# Altium PCB BUCK-BOOST_PWM_Controller.PcbDoc (part 1 of 2)
Units mm, origin at the board's own origin, x right, y up, seen from the top; angles counter-clockwise.
Board outline 90.1 x 70.25 mm, 2 copper layers (Top Layer, Bottom Layer); 191 components, 99 nets, 467 pads, 92 vias.
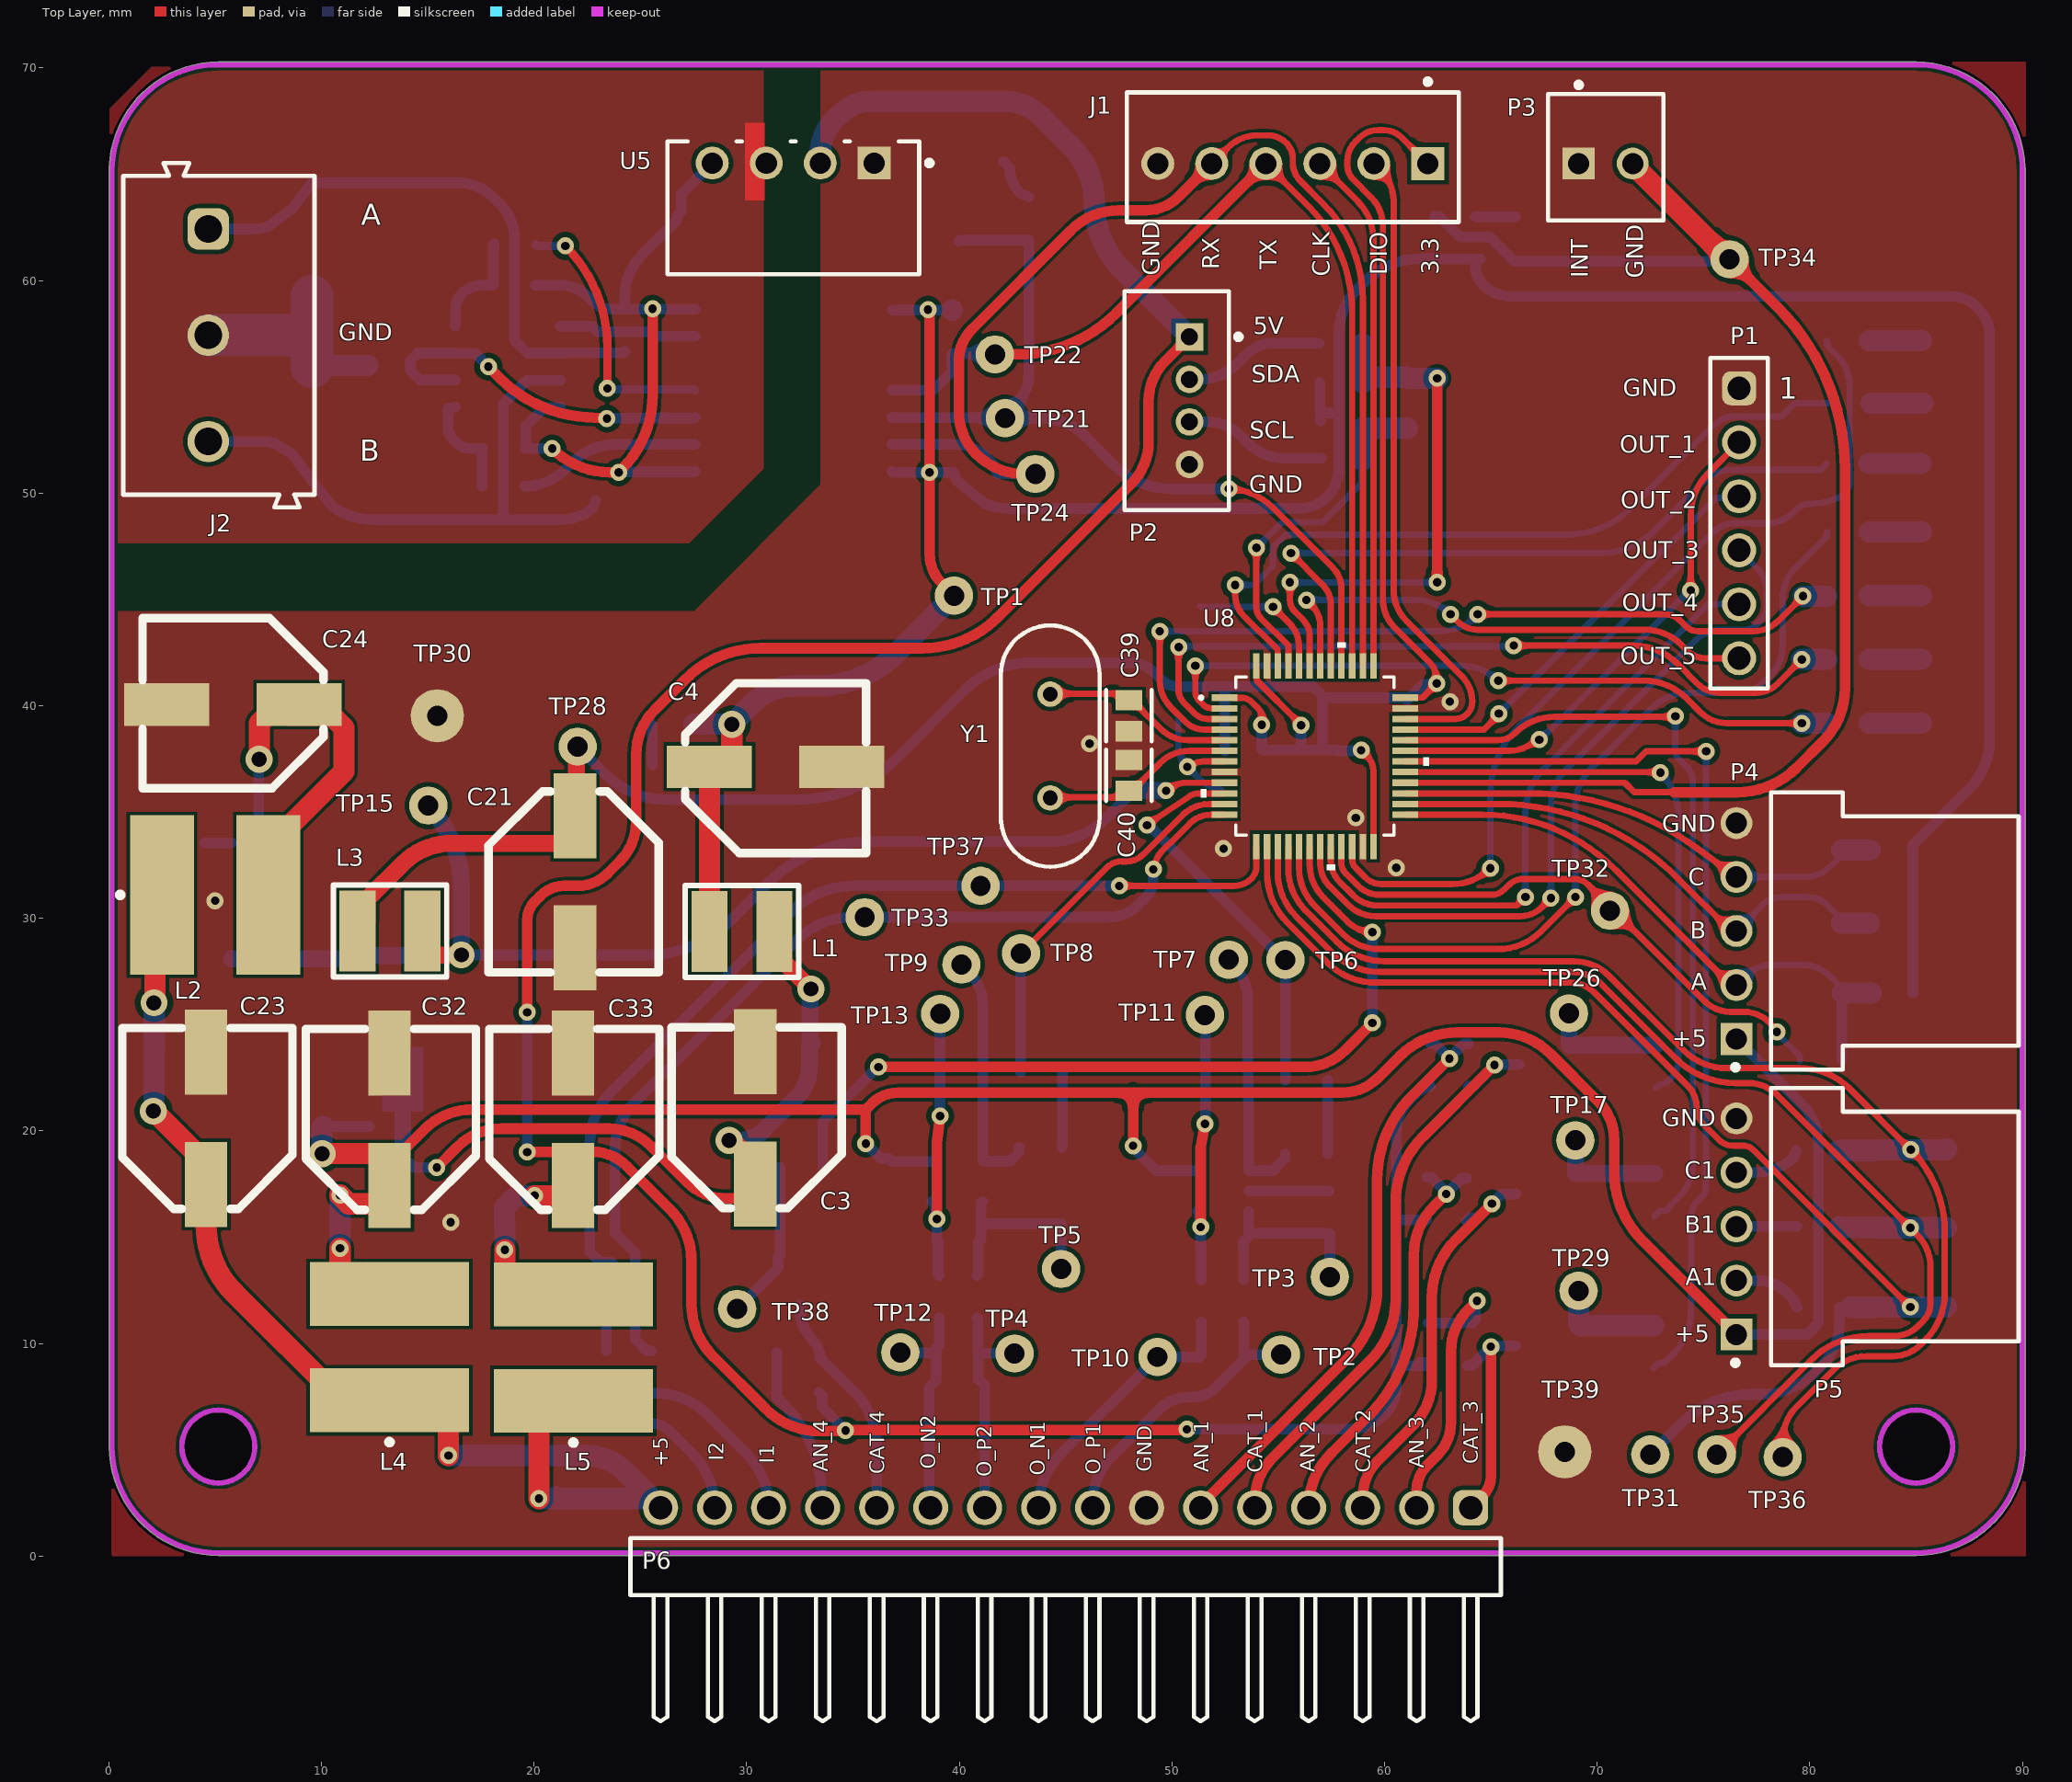
[diagram p0: Top Layer view]
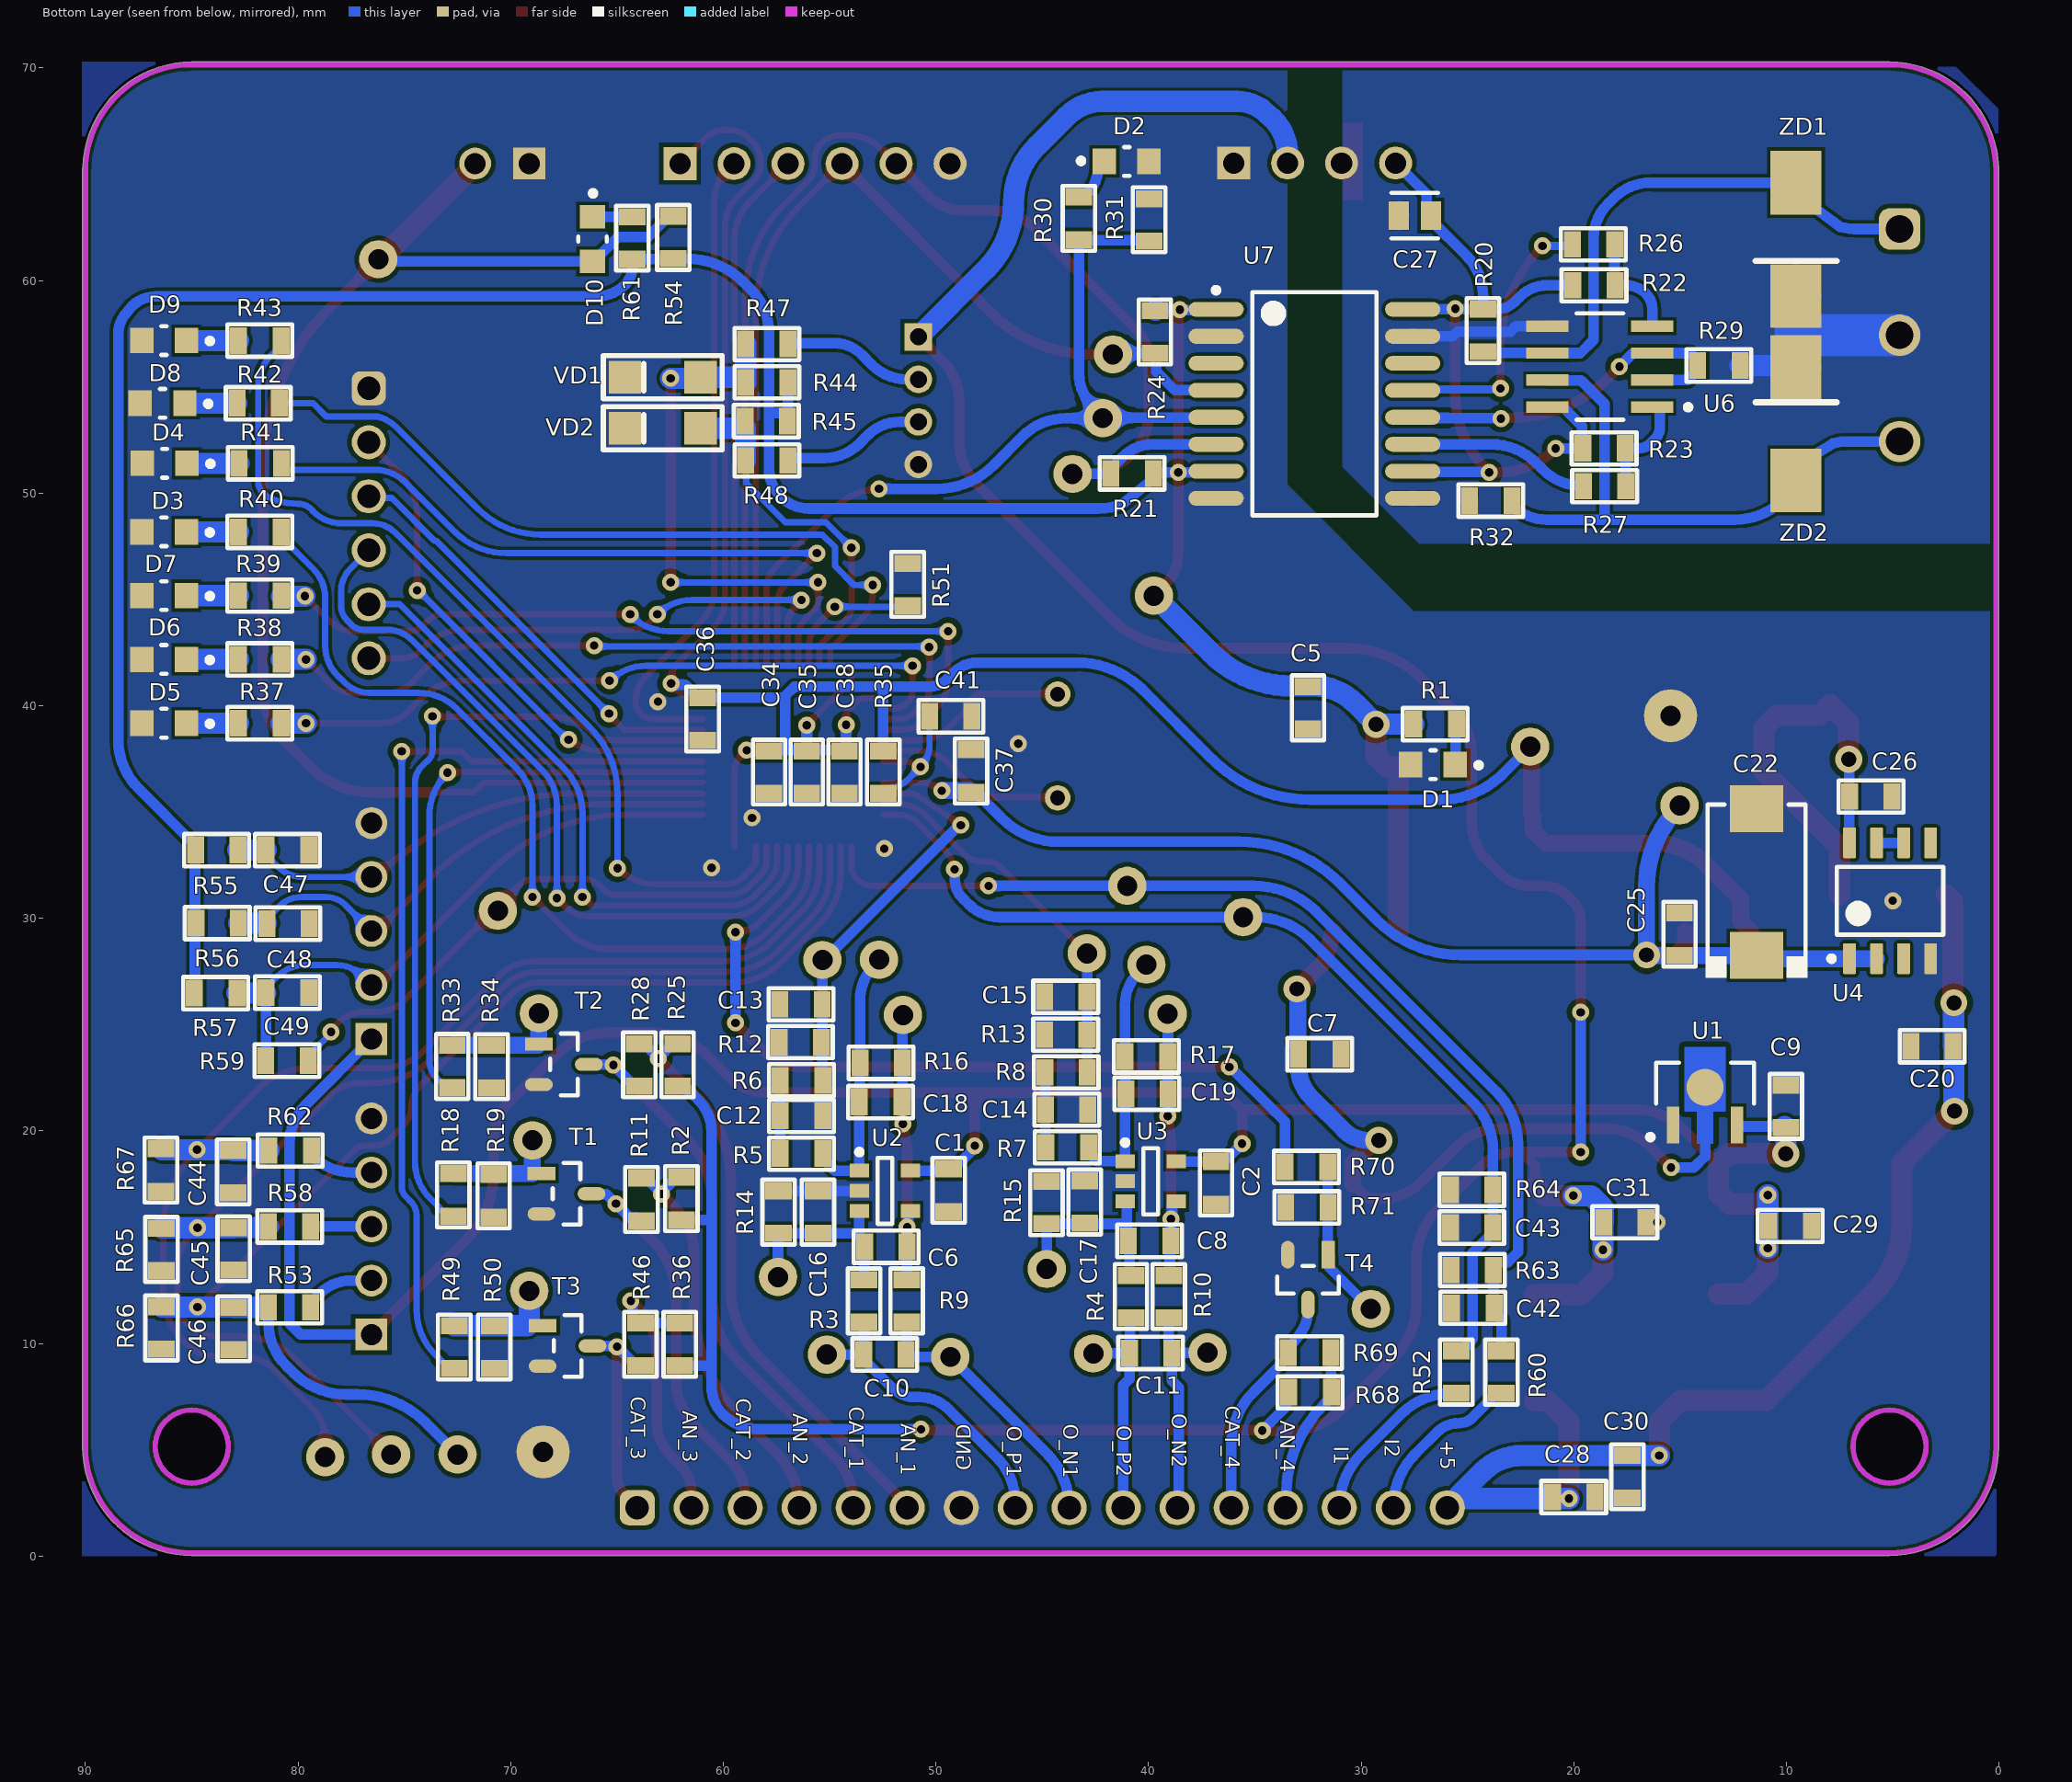
[diagram p1: Bottom Layer view, seen from below]
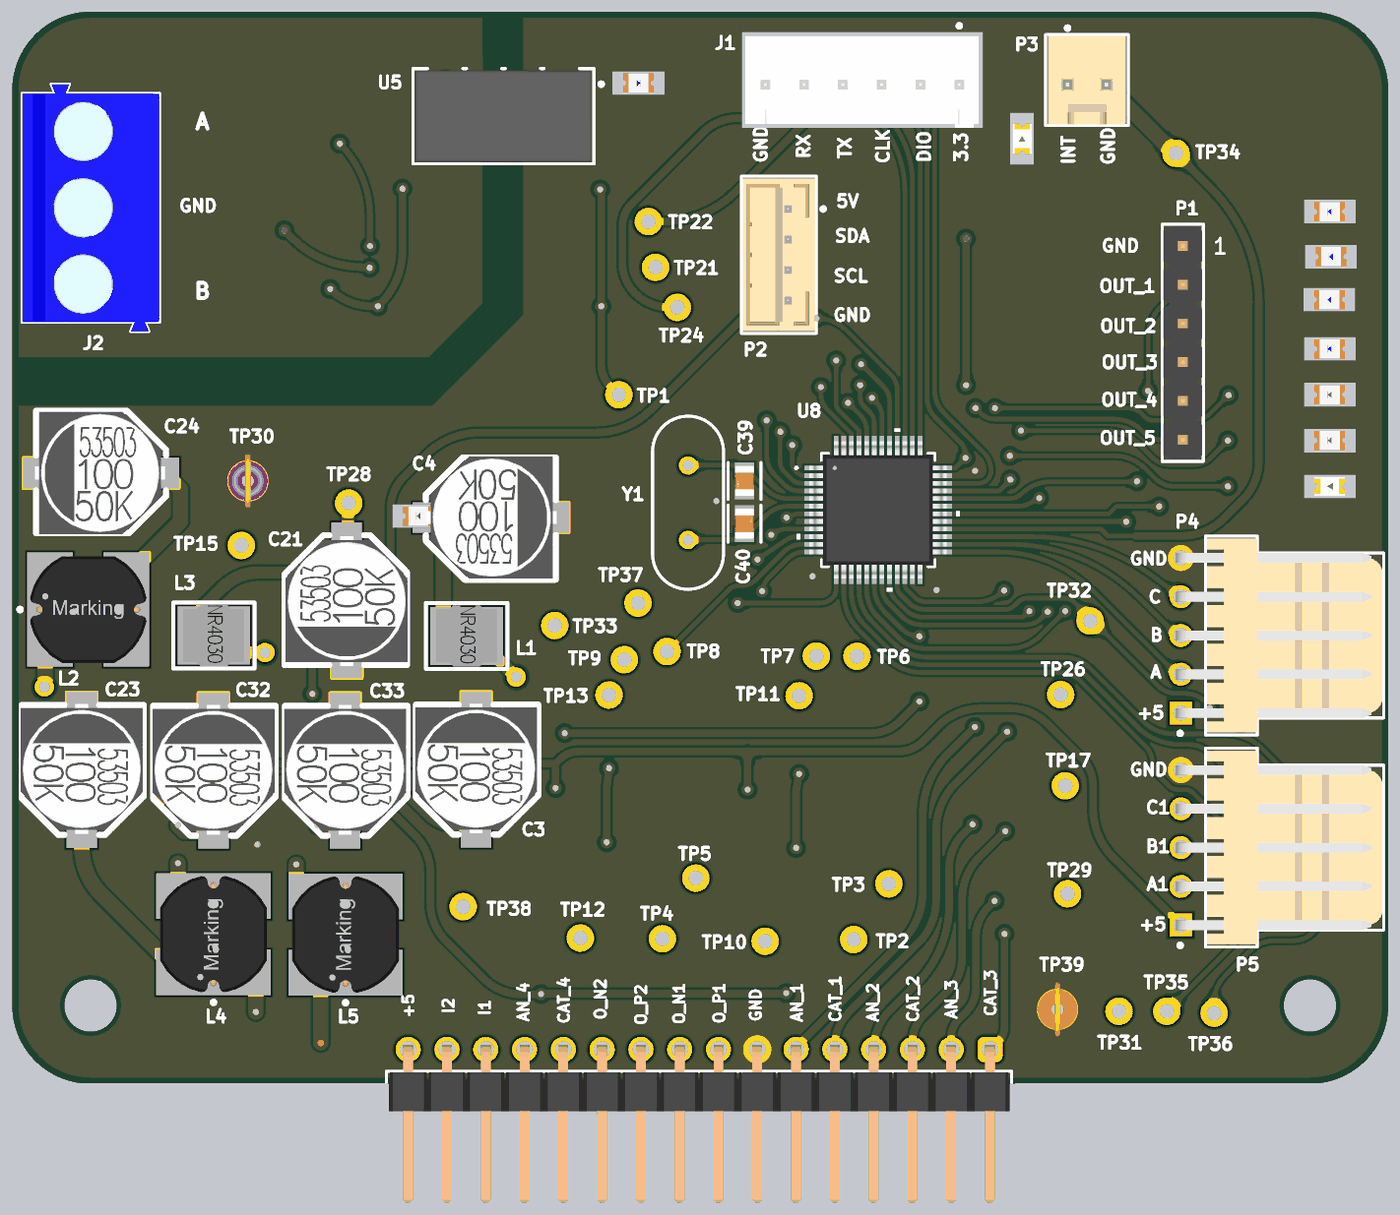
[diagram p3: 3D render of the assembled board from above, using the file's embedded part models]
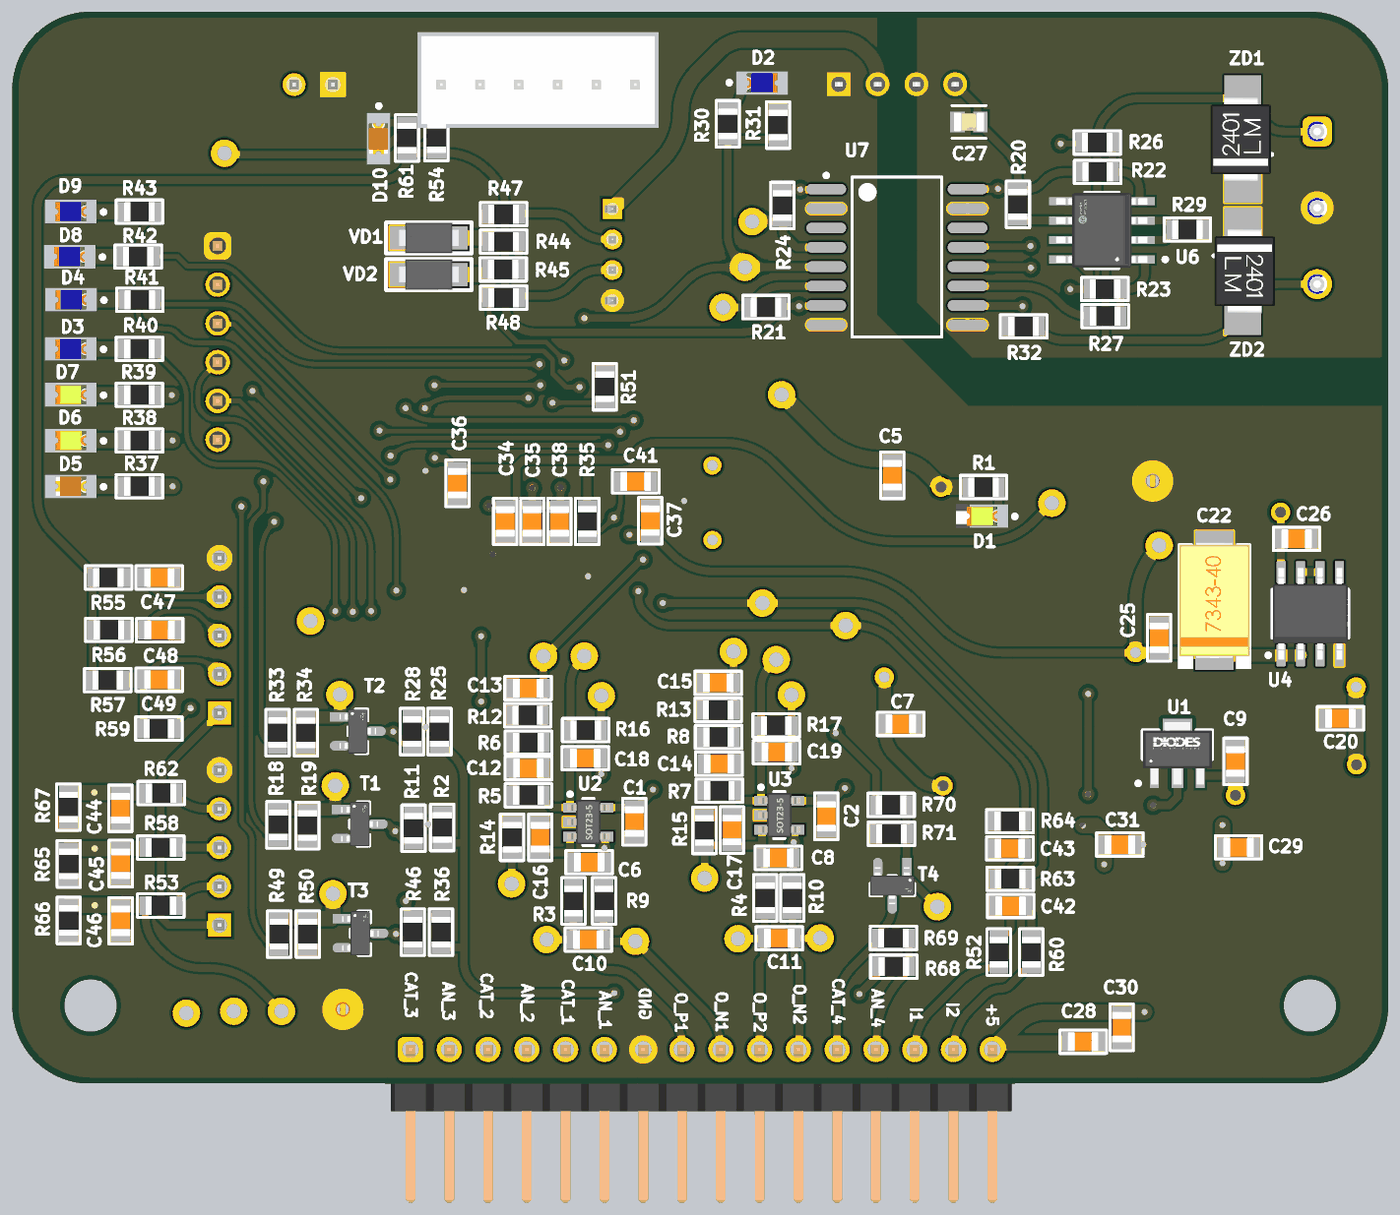
[diagram p4: 3D render of the assembled board from below, using the file's embedded part models]

## Layer stack, top to bottom
Top Solder: solder mask 0.0102, Solder Resist, Dk 3.5
Top Layer: signal copper 0.0356
Dielectric 1: dielectric 0.32, FR-4, Dk 4.8
Bottom Layer: signal copper 0.0356
Bottom Solder: solder mask 0.0102, Solder Resist, Dk 3.5

## Board outline
0.023,5.15 0.023,65.147 0.023,65.3 0.026,65.328 cw(c5.15,65.15) 5.15,70.277 85,70.277 85.001,70.277 cw(c85,65.15) 90.124,65.328 90.127,65.3 90.127,5.15 cw(c85,5.15) 85.001,0.023 85,0.023 5.15,0.023 5.148,0.023 cw(c5.15,5.15)
cut-out: 5.15,3.433 cw(c5.15,5.15) 3.433,5.15 cw(c5.15,5.15) 5.15,6.867 cw(c5.15,5.15) 6.867,5.15 cw(c5.15,5.15)
cut-out: 83.283,5.15 ccw(c85,5.15) 85,3.433 ccw(c85,5.15) 86.717,5.15 ccw(c85,5.15) 85,6.867 ccw(c85,5.15)

## Design rules (kind name [scope] priority, off if disabled: settings)
Clearance [All] p1: gap=0.15 ignorepadtopadclearanceinfootprint=FALSE except(0: Via-Hole Fill-Hole Poly-Hole Region-Hole Text-Hole; 0.2: THPad-THPad THPad-Via THPad-Fill THPad-Poly THPad-Region THPad-Text THPad-Hole; 0.254: Via-Via Via-Fill Via-Poly Via-Region Via-Text Fill-Fill Fill-Poly Fill-Region Fill-Text Poly-Poly Poly-Region Poly-Text Region-Region Region-Text Text-Text)
DiffPairsRouting [All] p1: maxlimit=0.254 minlimit=0.2 mostfreqgap=0.254 toplayer_minwidth=0.381 toplayer_maxwidth=0.381 toplayer_prefwidth=0.381 bottomlayer_minwidth=0.381 bottomlayer_maxwidth=0.381 bottomlayer_prefwidth=0.381 maxuncoupledlength=12.7
PlaneClearance [All] p1: clearance=0.635
PlaneConnect [InNet('GND_2')] p1: planeconnectstyle=Direct reliefexpansion=0.508 reliefentries=4 reliefconductorwidth=0.254 reliefairgap=0.254
PolygonConnect [InNet('GND_III') vs InNet('GND_III')] p1: connectstyle=Direct reliefconductorwidth=0.254 reliefentries=4 polygonreliefangle="90 Angle" airgapwidth=0.254
RoutingVias [All] p1: holewidth=0.4 width=0.8 viastyle="Through Hole" minholewidth=0.3 minwidth=0.6 maxholewidth=1 maxwidth=1.27
SolderMaskExpansion [All] p1: expansion=0.102 istentingtop=FALSE
Width [All] p1: maxlimit=5 minlimit=0.2 preferedwidth=0.254
27 further rules are at their usual default settings.

## Components (designator, comment, footprint, x,y, rotation, side; value= is the part's Value field where it differs from the comment)
C1 "0.1uF" CAP-0805 49.4,17.2 r90 bottom
C2 "0.1uF" CAP-0805 36.825,17.55 r90 bottom
C3 "CAP-POLAR" CAP_SMD_Size_E 30.4,20.675 r270 top locked
C4 "CAP-POLAR" CAP_SMD_Size_E 31.425,37.125 r180 top
C5 "0.1uF" CAP-0805 32.5,39.9 r90 bottom
C6 "0.1uF" CAP-0805 52.35,14.55 r0 bottom
C7 "0.1uF" CAP-0805 31.95,23.6 r0 bottom
C8 "0.1uF" CAP-0805 39.95,14.825 r0 bottom
C9 "0.1uF" CAP-0805 10.025,21.15 r270 bottom
C10 "0.1uF" CAP-0805 52.4,9.475 r0 bottom
C11 "0.1uF" CAP-0805 39.9,9.55 r0 bottom
C12 "1000pF" CAP-0805 56.325,20.7 r0 bottom
C13 "1000pF" CAP-0805 56.35,25.95 r180 bottom
C14 "1000pF" CAP-0805 43.85,21 r0 bottom
C15 "1000pF" CAP-0805 43.9,26.3 r180 bottom
C16 "0.1uF" CAP-0805 55.55,16.175 r270 bottom
C17 "0.1uF" CAP-0805 43,16.65 r270 bottom
C18 "0.1uF" CAP-0805 52.6,21.35 r0 bottom
C19 "0.1uF" CAP-0805 40.075,21.75 r0 bottom
C20 "0.1uF" CAP-0805 3.15,23.975 r180 bottom
C21 "CAP-POLAR" CAP_SMD_Size_E 21.925,31.65 r90 top
C22 "CAP-POLAR" CAP-TAN-D 11.4,31.7 r90 bottom
C23 "CAP-POLAR" CAP_SMD_Size_E 4.575,20.65 r270 top locked
C24 "CAP-POLAR" CAP_SMD_Size_E 5.775,40.05 r0 top
C25 "0.1uF" CAP-0805 15.025,29.25 r270 bottom
C26 "0.1uF" CAP-0805 6.025,35.725 r0 bottom
C27 "C0805C224K5RACTU" FP-C0805C-DN-MFG 27.475,63.05 r0 bottom value="0.22 μF"
C28 "0.1uF" CAP-0805 20,2.775 r0 bottom
C29 "0.1uF" CAP-0805 9.825,15.525 r0 bottom
C30 "0.1uF" CAP-0805 17.475,3.725 r90 bottom
C31 "0.1uF" CAP-0805 17.6,15.7 r0 bottom
C32 "CAP-POLAR" CAP_SMD_Size_E 13.2,20.6 r270 top
C33 "CAP-POLAR" CAP_SMD_Size_E 21.825,20.6 r270 top
C34 "0.1uF" CAP-0805 57.85,36.875 r90 bottom
C35 "0.1uF" CAP-0805 56.075,36.875 r90 bottom
C36 "0.1uF" CAP-0805 60.975,39.375 r90 bottom
C37 "0.1uF" CAP-0805 48.35,36.925 r270 bottom
C38 "0.1uF" CAP-0805 54.3,36.875 r90 bottom
C39 "16pF" FP-GRM21B-0_1-IPC_C 47.975,39.525 r270 top
C40 "16pF" FP-GRM21B-0_1-IPC_C 47.975,36.725 r90 top
C41 "0.1uF" CAP-0805 49.3,39.5 r0 bottom
C42 "220pF" CAP-0805 24.75,11.674 r180 bottom
C43 "220pF" CAP-0805 24.8,15.449 r180 bottom
C44 "22pF" CAP-0805 83.05,18.075 r90 bottom
C45 "22pF" CAP-0805 83.025,14.45 r90 bottom
C46 "22pF" CAP-0805 83.025,10.7 r90 bottom
C47 "330pF" CAP-0805 80.5,33.2 r0 bottom
C48 "330pF" CAP-0805 80.475,29.748 r0 bottom
C49 "330pF" CAP-0805 80.5,26.5 r0 bottom
D1 "151031YS06000" LED_GREEN 26.625,37.225 r0 bottom
D2 "LED" LED_BLUE 41.025,65.6 r180 bottom
D3 "151031YS06000" LED_BLUE 86.3,48.175 r0 bottom
D4 "151031YS06000" LED_BLUE 86.275,51.4 r0 bottom
D5 "151031YS06000" LED_RED 86.3,39.175 r0 bottom
D6 "151031YS06000" LED_YELLOW 86.3,42.175 r0 bottom
D7 "151031YS06000" LED_GREEN 86.3,45.175 r0 bottom
D8 "151031YS06000" LED_BLUE 86.375,54.225 r0 bottom
D9 "151031YS06000" LED_BLUE 86.3,57.175 r0 bottom
D10 "151031YS06000" LED_RED 66.15,61.95 r270 bottom
J1 "SWR25X-NRTC-S06-ST-BA" Sullins_SWR25X-NRTC-S06-ST-BA_MFG 55.685,65.8 r180 top
J2 "" 691101710003 5.175,57.425 r270 top
L1 "Coil" NR4030 29.775,29.375 r270 top
L2 "1000µH, 0.3A" WE-PD2_7850 5,31.1 r0 top
L3 "Coil" NR4030 13.225,29.4 r270 top
L4 "1000µH, 0.3A" WE-PD2_7850 13.2,9.825 r90 top
L5 "1000µH, 0.3A" WE-PD2_7850 21.85,9.8 r90 top
P1 "61300611121" 61300611121 76.675,48.58 r270 top
P2 "62000411622" 62000411622 50.225,54.35 r90 top
P3 "61900211121" 61900211121 70.4,65.8 r180 top
P4 "61900511021" 61900511021 84,29.4 r90 top locked
P5 "61900511021" 61900511021 84,15.5 r90 top locked
P6 "61301611021" 61301611021 45,-0.5 r0 top
R1 "220" RES-0805 26.525,39.125 r0 bottom
R2 "470" RES-0805 61.975,16.816 r270 bottom
R3 "10K" RES-0805 53.375,12 r90 bottom
R4 "10K" RES-0805 40.825,12.2 r90 bottom
R5 "10K" RES-0805 56.325,18.925 r180 bottom
R6 "10K" RES-0805 56.325,22.375 r0 bottom
R7 "10K" RES-0805 43.825,19.225 r180 bottom
R8 "10K" RES-0805 43.875,22.75 r0 bottom
R9 "10K" RES-0805 51.375,12 r90 bottom
R10 "10K" RES-0805 39.05,12.2 r90 bottom
R11 "1K" RES-0805 63.85,16.766 r90 bottom
R12 "100K*" RES-0805 56.375,24.175 r0 bottom
R13 "100K*" RES-0805 43.9,24.525 r0 bottom
R14 "10K" RES-0805 57.4,16.175 r270 bottom
R15 "10K" RES-0805 44.8,16.625 r270 bottom
R16 "10K" RES-0805 52.575,23.2 r0 bottom
R17 "10K" RES-0805 40.1,23.5 r0 bottom
R18 "1K" RES-0805 72.7,16.991 r90 bottom
R19 "10K" RES-0805 70.8,16.941 r90 bottom
R20 "10K" RES-0805 24.275,57.65 r90 bottom
R21 "10K" RES-0805 40.775,50.925 r180 bottom
R22 "10K" RES-0805 19.05,59.775 r0 bottom
R23 "10K" RES-0805 18.575,52.1 r0 bottom
R24 "10K" RES-0805 39.7,57.575 r90 bottom
R25 "470" RES-0805 62.15,23.1 r270 bottom
R26 "100" RES-0805 19.075,61.7 r0 bottom
R27 "100" RES-0805 18.55,50.325 r0 bottom
R28 "1K" RES-0805 63.95,23.1 r90 bottom
R29 "10K" RES-0805 13.175,56 r0 bottom
R30 "220" RES-0805 43.275,62.925 r270 bottom
R31 "10K" RES-0805 39.975,62.85 r270 bottom
R32 "10K" RES-0805 23.9,49.65 r180 bottom
R33 "1K" RES-0805 72.75,23.033 r90 bottom
R34 "10K" RES-0805 70.9,23.025 r90 bottom
R35 "10K" RES-0805 52.475,36.875 r90 bottom
R36 "470" RES-0805 62.05,9.958 r270 bottom
R37 "220" RES-0805 81.8,39.175 r180 bottom
R38 "220" RES-0805 81.8,42.175 r180 bottom
R39 "220" RES-0805 81.8,45.175 r180 bottom
R40 "220" RES-0805 81.8,48.175 r180 bottom